# Altium PCB Mynd_Main.PcbDoc (part 3 of 5)
Units mm, origin at the board's own origin, x right, y up, seen from the top; angles counter-clockwise.
Board outline 75 x 136 mm, 4 copper layers (Component Side, Mid Layer 1, Mid Layer 2, Solder Side), stack 1.58 mm thick; 561 components, 261 nets, 1529 pads, 1417 vias.
Unrouted connection lines stored in the file: 7.
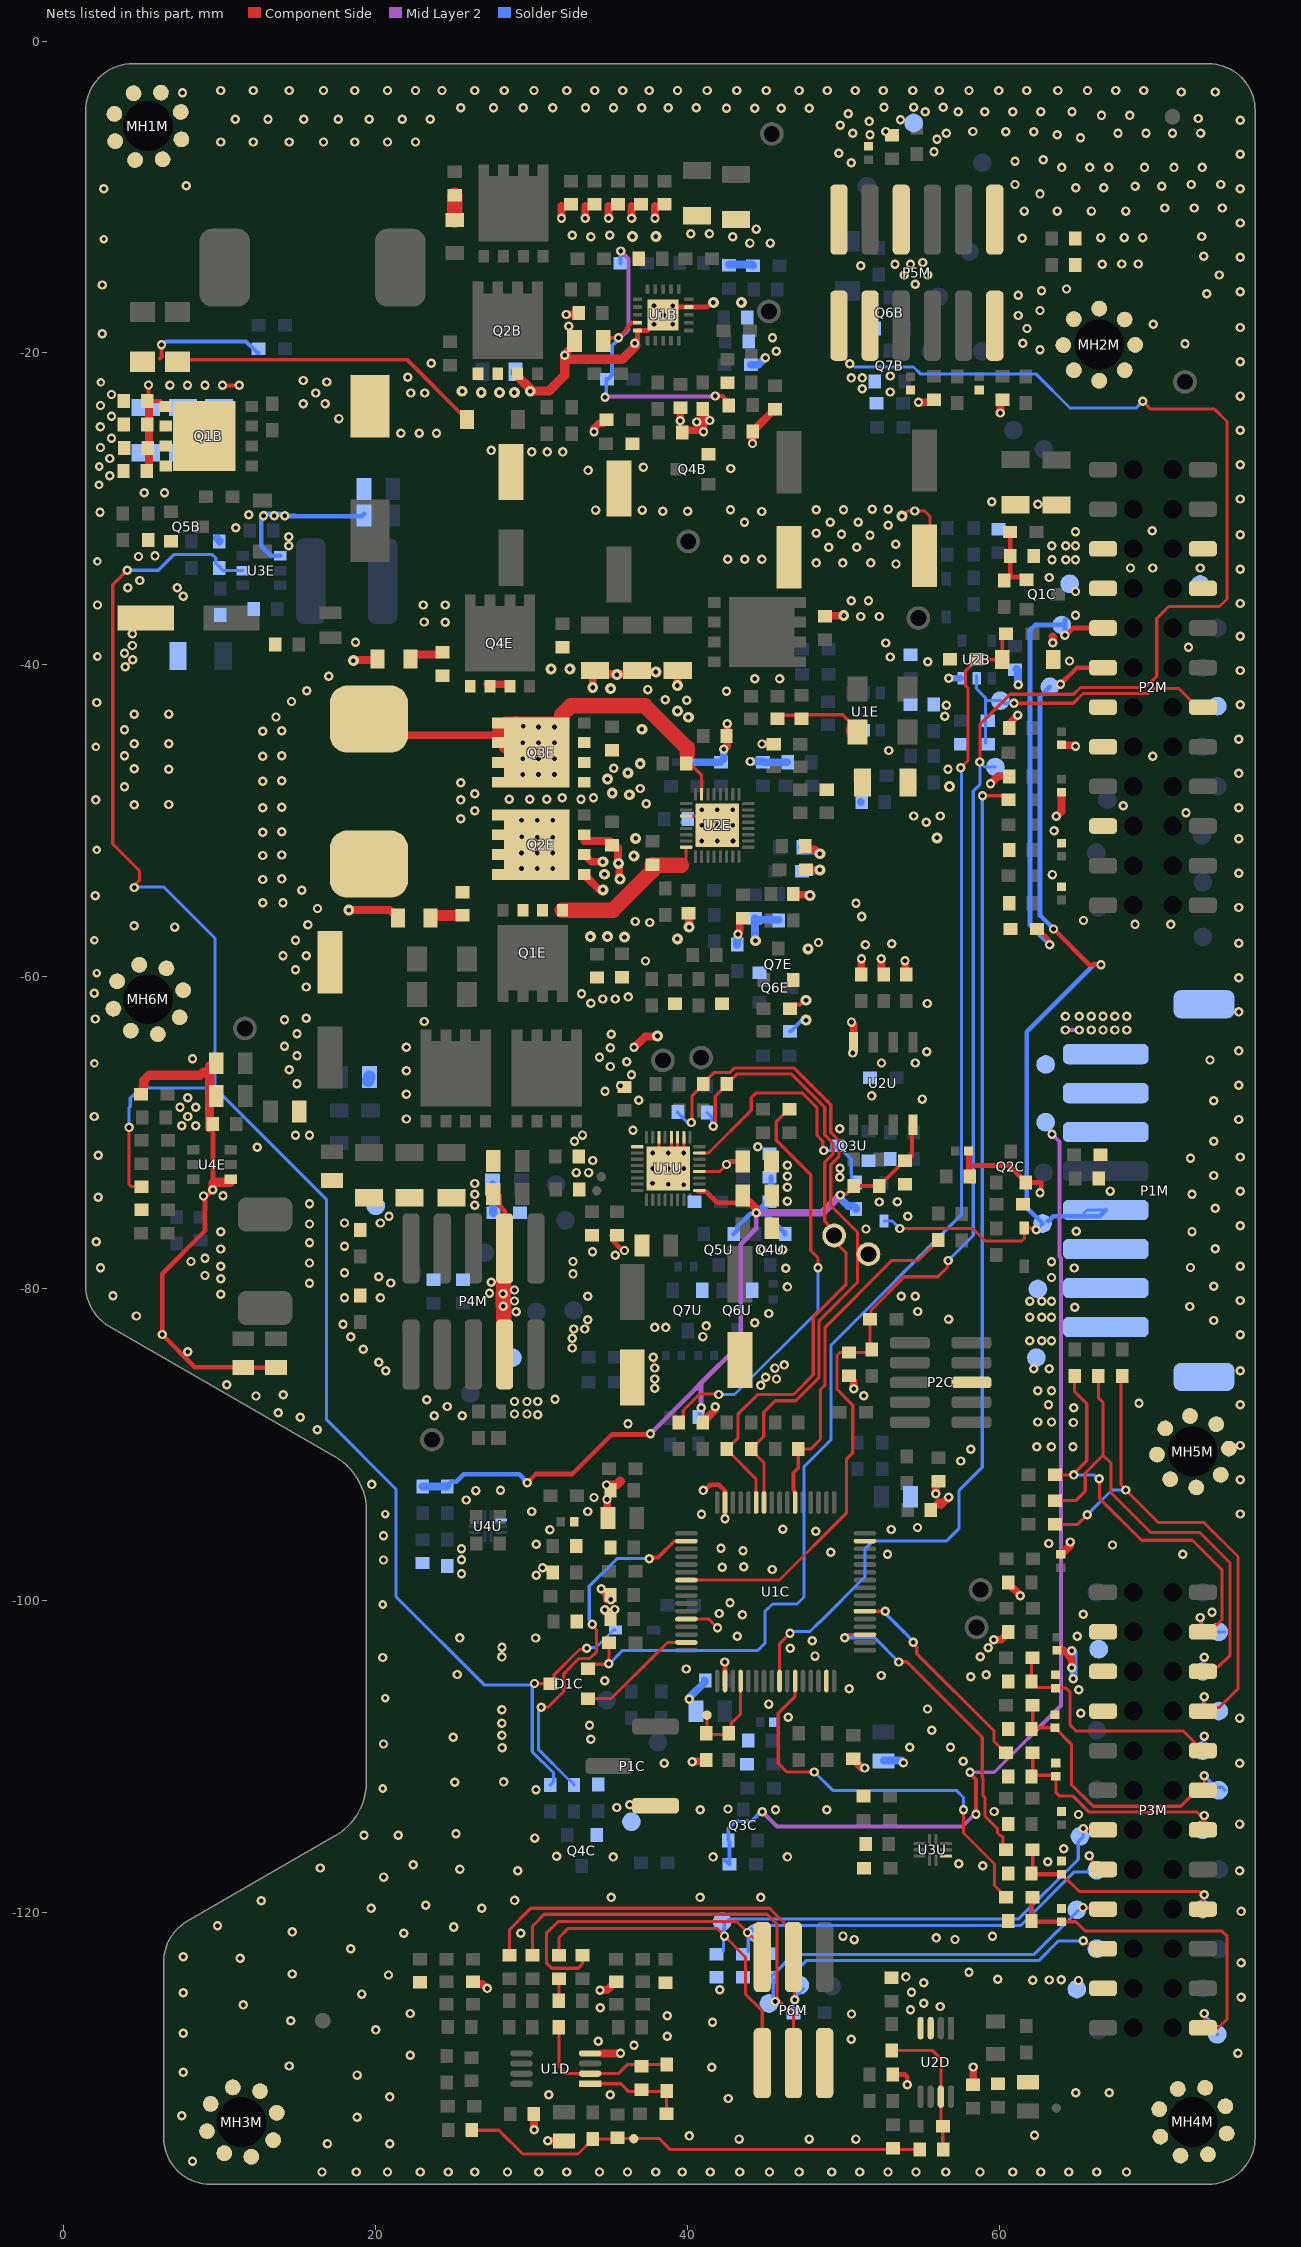
[diagram p5: the nets of this part, all layers, seen from the top]

## Via types
v1: diameter 0.6, hole 0.3, Component Side to Solder Side, tented both sides, 1239 vias
v2: diameter 0.61, hole 0.305, Component Side to Solder Side, tented both sides, 110 vias
v3: diameter 0.7, hole 0.3, Component Side to Solder Side, tented both sides, 50 vias
v4: diameter 0.55, hole 0.25, Component Side to Solder Side, tented both sides, 15 vias
v5: diameter 0.65, hole 0.3, Component Side to Solder Side, tented both sides, 2 vias
v6: diameter 0.55, hole 0.3, Component Side to Solder Side, tented both sides, 1 vias

## Nets (pads, with @x,y where several pads share a name; then routed paths per layer and width w, separated by ;. In a path a pad name is that pad's centre, name@x,y a point inside that pad or via, vN(x,y) a via of type N, cw(c..) or ccw(c..) an arc to the next point about the centre after c; other vN are vias at no path point) (continued)
Amp_Ver1: FB15C.1 U1C.25 | length 67.3
  Component Side w0.2: U1C.25@45.9,-105.15 45.9,-102.774 v1(46.567,-102.107) ; v1(58.918,-48.395) 60.296,-48.395 FB15C.1@60.55,-48.65
  Solder Side w0.2: v1(46.567,-102.107) 46.672,-102.002 47.847,-102.002 48.442,-101.407 48.467,-101.407 51.368,-98.506 51.368,-96.729 51.914,-96.182 56.617,-96.182 57.418,-95.381 57.418,-92.95 58.898,-91.47 58.898,-48.415 v1(58.918,-48.395)
BatVCC: P2M.9 R50E.2 TP25M.1 | length 27.9
  Component Side w0.3: R50E.2@62.415,-56.944 62.465,-56.944 63.159,-57.638 63.159,-57.903 v1(63.216,-57.96) ; v1(64.2,-38.1) 64.281,-38.1 64.741,-37.64 P2M.9@66.65,-37.64
  Solder Side w0.3: v1(63.216,-57.96) 61.966,-56.71 61.966,-37.766 62.282,-37.45 TP25M.1@64,-37.45 ; v1(64.2,-38.1) 64.2,-37.144 TP25M.1@64.252,-37.092
BT_BCLK: P3M.6 R8C.2 R14C.1 TP11M.1 | length 32.1
  Component Side w0.2: R8C.2@63.578,-93.607 64.887,-93.607 65.501,-92.993 65.501,-91.83 66.645,-90.686 ; R14C.1@66.345,-85.615 66.345,-87 66.645,-87.3 66.645,-90.686 ; P3M.6@73.142,-104.56 73.433,-104.269 74.037,-104.269 74.793,-103.513 74.793,-97.604 72.828,-95.639 69.689,-95.639 67.153,-93.103 67.153,-91.194 66.645,-90.686 ; P3M.6@73.142,-104.468 v1(73.142,-103.64)
  Solder Side w0.2: TP11M.1@73.05,-104.56 73.096,-104.514 73.096,-103.686 v1(73.142,-103.64)
BT_Ctrl_Pwr: C9C.1 ESD8C.2 FB8C.2 P3M.14 TP22M.1 | length 16.9
  Component Side w0.2: C9C.1@62.056,-111.3 C9C.1@62.134,-111.222 ; FB8C.2@62.134,-109.776 C9C.1@62.134,-111.222 ; ESD8C.2@63.617,-111.282 63.617,-112.317 63.86,-112.56 64.73,-112.56 65.756,-113.586 72.674,-113.586 73.05,-113.962 P3M.14@73.05,-114.72 73.142,-114.628 v1(73.142,-113.8) ; ESD8C.2@63.617,-111.217 62.139,-111.217 C9C.1@62.134,-111.222
  Solder Side w0.2: TP22M.1@73.05,-114.72 73.096,-114.674 73.096,-113.846 v1(73.142,-113.8)
BT_Ctrl_Vreg: C7C.1 ESD6C.2 FB6C.2 P3M.18 TP28M.1 | length 14.9
  Component Side w0.2: C7C.1@62.056,-117.523 62.134,-117.445 FB6C.2@62.134,-115.999 ; ESD6C.2@63.978,-117.567 64.003,-117.567 65.102,-118.666 72.82,-118.666 73.034,-118.88 v1(73.142,-118.88) ; P3M.18@73.05,-119.8 v1@73.05,-119.102
  Component Side w0.3: C7C.1@62.056,-117.523 62.1,-117.567 ESD6C.2@63.978,-117.567
  Solder Side w0.2: TP28M.1@73.05,-119.8 73.096,-119.754 73.096,-118.926 v1(73.142,-118.88)
BT_CtrlPwr: FB8C.1 U1C.38 | length 13.6
  Component Side w0.2: U1C.38@51.375,-100.7 v1(52.672,-100.7) ; v1(54.465,-102.687) 54.465,-102.769 54.7,-103.004 54.7,-103.419 59.659,-108.378 59.659,-109.051 60.384,-109.776 FB8C.1@60.434,-109.776
  Solder Side w0.2: v1(52.672,-100.7) 52.672,-100.808 52.835,-100.971 52.835,-100.986 54.465,-102.616 v1(54.465,-102.687)
BT_CtrlVreg: FB6C.1 U1C.35 | length 20.5
  Component Side w0.2: v1(50.075,-102.4) 50.275,-102.2 U1C.35@51.35,-102.2 ; v1(53.553,-103.951) 53.565,-103.939 54.047,-103.939 58.899,-108.79 58.899,-111.329 58.952,-111.382 58.952,-112.526 59.076,-112.651 59.076,-113.839 59.876,-114.639 59.876,-114.914 60.04,-115.078 60.103,-115.078 60.22,-115.195 FB6C.1@60.22,-115.846
  Solder Side w0.2: v1(50.075,-102.4) 52.002,-102.4 v1(53.553,-103.951)
BT_DATA: P3M.4 R10C.2 R16C.1 TP10M.1 | length 28.9
  Component Side w0.2: R10C.2@63.578,-91.956 v1(64.76,-91.956) 64.76,-91.879 65.6,-91.039 65.6,-87.4 64.821,-86.621 R16C.1@64.821,-85.615 ; v1(66.411,-92.21) 66.411,-93.451 69.107,-96.147 72.38,-96.147 74.285,-98.052 74.285,-101.227 73.719,-101.793 73.277,-101.793 P3M.4@73.05,-102.02 72.888,-101.858 v1(72.888,-101.1)
  Solder Side w0.2: v1(64.76,-91.956) 66.049,-91.956 66.303,-92.21 v1(66.411,-92.21) ; v1(72.888,-101.1) 72.965,-101.177 72.965,-101.52 73.464,-102.02 TP10M.1@74.467,-102.02
BT_LRCK: P3M.8 R6C.2 R12C.1 TP12M.1 | length 35.4
  Component Side w0.2: R6C.2@63.578,-95.131 65.014,-95.131 v1(65.633,-94.512) ; R12C.1@67.8,-85.684 67.8,-92.585 68.11,-92.895 v1(68.11,-92.924) ; v1@68.169,-92.924 68.169,-92.984 70.19,-95.004 73.113,-95.004 75.301,-97.192 75.301,-105.672 74.1,-106.873 73.549,-106.873 73.186,-107.236 P3M.8@73.05,-107.1 73.142,-107.008 v1(73.142,-106.18)
  Solder Side w0.2: v1(65.633,-94.512) 67.221,-92.924 v1(68.11,-92.924) ; v1(73.142,-106.18) 73.096,-106.226 73.096,-106.847 TP12M.1@73.5,-107.251
BT_Ver: C10C.1 ESD9C.2 FB9C.2 P3M.24 TP39M.1 | length 24.2
  Component Side w0.2: ESD9C.2@63.978,-120.615 64.911,-120.615 65.502,-121.206 74.265,-121.206 74.6,-121.541 74.6,-126.85 74.021,-127.429 73.059,-127.429 P3M.24@73.05,-127.42 73.142,-127.328 v1(73.142,-126.5)
  Component Side w0.3: FB9C.2@62.134,-119.047 62.056,-119.125 C10C.1@62.056,-120.571 62.1,-120.615 ESD9C.2@63.978,-120.615
  Solder Side w0.2: v1(73.142,-126.5) 73.142,-126.592 73.776,-127.226 73.776,-127.641 TP39M.1@73.967,-127.832
BT_Ver1: FB9C.1 U1C.27 | length 26.1
  Component Side w0.2: U1C.27@46.9,-105.175 46.9,-106.153 46.452,-106.601 45.817,-107.236 45.817,-110.457 46.367,-111.007 v1(48.117,-111.007) ; v1(57.692,-113.432) 57.692,-114.922 59.68,-116.91 59.68,-118.292 60.084,-118.697 60.084,-118.747 60.384,-119.047 FB9C.1@60.434,-119.047
  Solder Side w0.2: v1(48.117,-111.007) 49.299,-112.189 57.239,-112.189 57.692,-112.642 v1(57.692,-113.432)
BVcc: C26B.1 R20B.1 R25B.1 R31B.1 U1B.9 | length 22.1
  Component Side w0.25: C26B.1@34.567,-19.232 34.767,-19.032 v1(35.567,-19.032) 36.085,-18.514 36.085,-18.419 36.447,-18.057 U1B.9@36.783,-18.057 ; v1(41.783,-22.757) 42.242,-22.757 42.592,-23.107 42.642,-23.157 R31B.1@42.642,-23.357
  Mid Layer 2 w0.25: v1(34.7,-22.85) 34.76,-22.79 41.65,-22.79 v1@41.683,-22.757 ; v1(35.567,-19.032) 35.662,-19.032 36.017,-18.677 36.038,-18.677 36.215,-18.5 36.215,-13.964 v1(35.708,-13.457)
  Solder Side w0.25: v1(34.7,-22.85) 34.783,-22.767 34.783,-21.682 34.883,-21.682 35.158,-21.407 35.158,-19.536 35.567,-19.127 v1(35.567,-19.032) ; R20B.1@35.708,-14.232 v1(35.708,-13.457)
C_Open: D1U.A D3C.A P1M.4 P2M.11 TP4M.1 TP29M.1 | length 60
  Component Side w0.2: v1(53.6,-76.15) 58.3,-76.15 59.1,-76.95 61.442,-76.95 61.6,-76.792 D3C.A@61.6,-76.125 62.543,-76.125 v1@62.567,-76.149
  Component Side w0.3: v1(63.47,-56.944) 65.756,-59.23 v1(66.518,-59.23) ; v1@63.871,-41.283 v1(63.915,-41.239) 64.974,-40.18 P2M.11@66.65,-40.18
  Solder Side w0.2: D1U.A@52.6,-75.675 53.125,-75.675 v1(53.6,-76.15) ; v1(62.367,-76.232) TP4M.1@62.767,-75.832 ; P1M.4@65.393,-75.213 65.637,-74.97 P1M.4@66.822,-74.97
  Solder Side w0.3: TP4M.1@62.767,-75.832 61.743,-74.808 61.743,-63.538 66.051,-59.23 v1(66.518,-59.23) ; TP4M.1@63.086,-75.651 63.174,-75.651 63.463,-75.362 66.43,-75.362 P1M.4@66.822,-74.97 ; TP29M.1@63.236,-41.41 62.601,-42.045 62.601,-56.075 v1(63.47,-56.944)
COpen: FB3C.1 R19C.2 U1C.54 | length 22.2
  Component Side w0.2: R19C.2@47.1,-90.3 47.894,-90.3 48.52,-89.674 48.52,-86.48 48.82,-86.18 48.82,-82.48 53.1,-78.2 54.799,-78.2 56.067,-76.932 FB3C.1@56.067,-76.882
  Component Side w0.25: U1C.54@46.9,-93.725 46.9,-93.136 46.855,-93.091 46.855,-92.962 46.805,-92.912 46.805,-91.82 47.1,-91.525 R19C.2@47.1,-90.3
COpen2: Q3U.D R27U.1 U1U.7 | length 16.8
  Component Side w0.2: U1U.7@40.762,-71.308 41.342,-71.308 44.08,-68.57 44.08,-67.77 44.4,-67.45 47.337,-67.45 48.297,-68.41 48.297,-70.182 48.665,-70.55 48.665,-71.075 v1(48.74,-71.15)
  Solder Side w0.2: v1(48.74,-71.15) 49.3,-71.15 Q3U.D@49.6,-70.85 49.65,-70.85 50.5,-71.7 50.5,-72.65 ; 50.5,-72.65 50.5,-72.9 R27U.1@50.8,-73.2
Ena_3V3_STB: D1C.3 D4C.K R40C.1 R42E.1 R44E.1 U3E.5 | length 121
  Component Side w0.2: v1(4.067,-33.932) 3.131,-34.868 3.131,-51.492 4.851,-53.213 4.851,-53.827 4.506,-54.172 v1(4.506,-54.28) ; v1(4.18,-69.669) 4.18,-73.333 4.297,-73.45 R44E.1@4.957,-73.45 ; v1(30.18,-105.334) 31.184,-105.334 D1C.3@31.2,-105.35 31.449,-105.101 31.449,-104.767 33.067,-103.15 33.451,-103.15 v1(33.528,-103.073)
  Solder Side w0.2: v1(4.067,-33.932) 6.057,-33.932 7.052,-32.937 9.522,-32.937 9.739,-33.154 9.739,-33.48 10.217,-33.957 U3E.5@11.467,-33.957 ; v1(4.18,-69.669) 4.18,-68.395 4.255,-68.319 4.255,-67.795 4.9,-67.15 9.7,-67.15 ; v1(4.506,-54.28) 4.532,-54.254 6.404,-54.254 9.7,-57.55 9.7,-67.15 ; R40C.1@31.192,-111.85 31.4,-111.641 31.4,-111.06 30.04,-109.7 30.04,-105.474 30.126,-105.388 v1(30.18,-105.334) 30.072,-105.334 29.986,-105.42 26.959,-105.42 21.3,-99.761 21.3,-92.865 16.851,-88.415 16.851,-74.301 9.7,-67.15 ; v1(33.528,-103.073) 33.579,-103.022 34.128,-103.022 35.25,-101.9 D4C.K@35.375,-101.9
Ena_BatADC: R39C.1 U1C.2 | length 23.2
  Component Side w0.2: v1(30.62,-106.858) 30.635,-106.843 31.054,-106.843 32.055,-105.842 32.055,-104.699 33.034,-103.72 33.745,-103.72 34.167,-103.298 34.167,-101.915 33.884,-101.632 v1(33.884,-101.524)
  Component Side w0.25: v1(37.547,-97.327) 37.614,-97.26 38.097,-97.26 39.147,-96.21 39.915,-96.21 U1C.2@39.925,-96.2
  Solder Side w0.2: v1(30.62,-106.858) 30.62,-106.966 30.429,-107.157 30.429,-109.552 32.365,-111.488 32.415,-111.488 32.715,-111.788 R39C.1@32.715,-111.838 ; 33.696,-101.228 33.696,-99.099 35.469,-97.327 v1(37.547,-97.327)
Env_Track: P2M.14 R8B.2 R27B.1 TP34M.1 U2B.2 | length 19.2
  Component Side w0.2: v1(60.93,-42.466) 64.733,-42.466 65.359,-41.84 69.521,-41.84 69.834,-41.527 71.512,-41.527 72.705,-42.72 P2M.14@73.05,-42.72
  Solder Side w0.2: U2B.2@58.525,-40.675 58.525,-41.525 59.1,-42.1 59.1,-42.299 ; R27B.1@59.1,-45.025 59.1,-43.575 59.1,-42.299 ; TP34M.1@60.061,-42.299 59.1,-42.299 ; TP34M.1@60.259,-42.466 v1(60.93,-42.466)
GND: C1C.2 C1E.2 C2B.1 C2C.2 C2U.2 C3B.1 C3C.2 C3U.2 C4B.2 C4C.2 C4E.2 C4U.1 C5B.2 C5C.2 C5E.2 C5U.2 C6B.1 C6C.2 C6E.2 C6U.2 C7B.1 C7C.2 C7D.2 C7E.1 C7U.1 C8B.1 C8C.2 C8E.1 C8U.2 C9B.1 C9C.2 C9D.2 C9E.2 C9U.1 C10B.2 C10C.2 C10E.1 C10U.2 C11B.2 C11C.2 C11E.2 C11U.1 C12B.2 C12C.2 C12E.1 C12U.2 C13B.1 C13C.2 C13E.1 C13U.2 C14B.1 C14C.2 C14E.1 C14U.2 C15B.1 C15C.2 C15D.1 C15E.1 C15U.2 C16B.1 C16C.2 C16D.2 C16E.1 C16U.2 C17C.2 C17D.2 C17E.1 C17U.2 C18B.1 C18C.2 C18D.2 C18U.2 C19B.1 C19C.2 C19D.2 C19E.1 C19U.2 C20B.1 C20C.2 C20D.2 C21B.1 C21C.2 C21D.2 C21E.2 C22B.1 C22C.2 C22D.2 C22E.1 C23C.2 C23D.2 C23E.2 C24C.2 C24D.2 C24E.2 C25B.2 C25C.2 C26B.2 C26C.2 C26E.1 C27B.2 C27C.2 C28B.2 C28C.2 C28E.2 C29B.2 C29C.2 C29E.2 C30B.2 C30C.2 C30E.2 C31C.2 C31E.1 C32B.2 C32C.2 C32E.1 C33B.2 C33C.2 C33E.1 C34B.1 C34C.2 C34E.1 C35B.2 C35C.1 C35E.1 C36B.2 C36C.2 C36E.2 C37B.1 C37C.2 C37E.2 C38E.2 C39E.2 C40E.1 C42E.2 C43E.2 C44E.2 C45E.2 C46E.2 C50E.2 C52E.2 C53E.2 C54E.2 C56E.2 C57E.2 C58E.2 D2C.A ESD1C.2 ESD2C.1 ESD3C.1 ESD4C.1 ESD5C.1 ESD6C.1 ESD7C.1 ESD8C.1 ESD9C.1 ESD10C.1 ESD11C.1 ESD12C.1 ESD13C.1 ESD14C.1 ESD15C.1 ESD16C.1 ESD17C.1 ESD18C.1 MH1M.1 MH2M.1 MH3M.1 MH4M.1 MH5M.1 MH6M.1 P1C.1 P1M.0 P1M.1 P1M.2 P1M.3 P2C.5 P2M.5 P2M.6 P2M.7 P2M.8 P2M.13 P2M.15 P2M.19 P3M.3 P3M.5 P3M.7 P3M.21 P4M.3 P4M.4 P5M.1 P5M.2 P5M.7 P5M.10 P5M.11 P6M.2 Q2B.1 Q2B.2 Q2B.3 Q2C.S Q2E.1 Q2E.2 Q2E.3 Q3E.1 Q3E.2 Q3E.3 Q3U.S Q4B.S Q4C.S Q5B.S Q6B.S Q6E.S Q6U.S Q7B.S Q7E.S Q7U.S R1U.1 R3U.2 R4C.1 R7B.1 R8E.2 R9E.2 R11D.1 R12D.2 R14U.2 R15U.2 R16B.2 R16E.2 R16U.2 R17U.2 R18U.1 R19D.1 R19U.2 R21U.1 R22C.1 R22U.1 R23B.2 R23E.1 R24B.2 R24C.1 R25E.1 R26B.2 R27B.2 R28B.2 R29B.2 R29E.1 R30B.2 R30E.2 R30U.1 R31E.1 R32C.2 R32E.1 R33E.1 R36B.2 R38C.1 R38E.2 R40E.1 R41C.2 R41U.1 R42E.2 R42U.1 R43E.2 R45E.1 R49E.2 TP5M.1 TP6M.1 TP9C.1 TP9M.1 TP19M.1 TP20M.1 TP33M.1 TP35M.1 TP51M.1 TP52M.1 TP59M.1 U1B.0 U1B.10 U1B.19 U1C.12 U1C.18 U1C.31 U1C.47 U1C.63 U1D.4 U1E.2 U1U.0 U1U.10 U1U.11 U1U.12 U1U.14 U1U.17 U2B.3 U2D.3 U2D.4 U2E.0 U2E.27 U2U.4 U3E.1 U3U.3 U4E.1 U4U.3 | length 209.9
  Component Side w0.192: U1U.14@38.162,-70.308 38.162,-71.708 v1(38.762,-72.308) ; U1U.0@39.758,-73.299 U1U.0@39.767,-73.308
  Component Side w0.2: v1(3.937,-40.132) 3.95,-40.132 4.407,-39.675 v1(4.42,-39.675) ; U1U.17@36.712,-70.908 U1U.17@36.762,-70.908 ; v1(37.8,-84.4) 37.85,-84.45 37.85,-85.05 v1(37.9,-85.1) ; U1U.0@38.762,-71.978 v1(38.762,-72.308) U1U.0@38.962,-72.108 ; U1U.0@38.762,-71.295 38.962,-71.095 U1U.12@38.962,-70.308 ; U1U.0@38.832,-71.295 38.832,-71.978 U1U.0@38.962,-72.108 ; U1U.11@39.362,-70.308 U1U.0@39.362,-71.708 ; U1U.10@39.762,-70.308 v1(39.762,-71.308) U1U.0@39.362,-71.708 ; U2E.27@39.9,-49.7 41.505,-49.7 U2E.0@41.909,-49.296 ; U1C.12@39.95,-101.2 41.355,-101.2 v1(41.918,-101.763) ; v3(53.751,-30.465) 53.784,-30.465 54.118,-30.132 55.217,-30.132 ; v1(54.567,-30.132) 55.217,-30.132 ; C10B.2@55.2,-33 55.551,-32.649 55.551,-30.465 55.217,-30.132 ; U1U.0@38.962,-72.108 U1U.0@39.362,-71.708
  Component Side w0.25: R29E.1@46.575,-61.95 46.75,-61.775 47.215,-61.775 47.473,-61.516 v3(47.595,-61.516)
  Component Side w0.3: v1@9.049,-74.163 9.008,-74.204 9.008,-74.335 9.051,-74.378 9.051,-76.295 6.3,-79.045 v1(6.3,-82.95) 8.4,-85.05 11.535,-85.05 11.56,-85.075 C57E.2@13.6,-85.075 ; v1@9.051,-74.165 v1(9.551,-73.665) ; v1@9.421,-73.665 9.421,-73.374 9.562,-73.232 9.562,-70.032 ; C2U.2@27.942,-74.032 27.942,-74.707 28.267,-75.032 P4M.3@28.267,-77.182 ; P4M.3@28.202,-76.267 28.467,-76.532 P4M.3@28.467,-77.832 ; C12U.2@35.117,-76.587 35.269,-76.739 35.269,-77.003 v1@35.751,-77.484 ; v1(36.608,-19.382) 36.783,-19.207 U1B.10@36.783,-18.557 37.433,-18.557 U1B.0@38.433,-17.557 38.933,-17.057 U1B.19@40.083,-17.057 41.251,-17.057 41.542,-16.765 v3(41.651,-16.765) ; v1(41,-92.95) 41.081,-92.95 41.449,-92.582 42.011,-92.582 42.4,-92.971 U1C.63@42.4,-93.725 ; v1(42.392,-103.957) 42.4,-103.965 U1C.18@42.4,-105.15 ; v1(42.4,-94.775) U1C.63@42.4,-93.75 ; R11D.1@53.167,-130.407 53.942,-130.407 54.092,-130.557 v1(54.092,-131.057) ; ESD3C.1@58.017,-71.182 58.017,-72.107 ; C4C.2@58.097,-72.807 58.017,-72.727 58.017,-72.107 ; v1(62.6,-73.85) 62.685,-73.765 62.685,-73.2 Q2C.S@61.687,-73.2 60.594,-72.107 58.017,-72.107
  Component Side w0.5: v3(18.267,-55.732) 20.917,-55.732 21.067,-55.882 21.217,-55.882 21.417,-56.082 R8E.2@21.417,-56.232 ; v3(18.567,-39.732) 18.605,-39.694 20.19,-39.694 R9E.2@20.222,-39.662 ; R19D.1@26.225,-124.455 26.375,-124.605 26.836,-124.605 27.121,-124.889 v1(27.148,-124.889) ; v1(30.175,-133.961) 30.156,-133.942 30.156,-132.949 C18D.2@30.175,-132.93 ; v1(31.025,-134.655) C9D.2@32.075,-134.655 ; v1(31.917,-11.357) 31.917,-10.582 ; v1@32.132,-20.126 32.132,-20.067 32.767,-19.432 C26B.2@32.767,-19.232 ; v1(32.217,-17.532) C25B.2@32.967,-17.532 ; Q2E.1@33.354,-53.45 33.43,-53.45 33.517,-53.537 33.517,-53.613 34.298,-54.394 34.529,-54.394 v3(34.567,-54.432) ; Q2E.2@33.367,-52.167 33.832,-52.632 v3(34.567,-52.632) ; 33.367,-51.292 35.032,-51.292 35.317,-51.577 C19E.1@35.367,-51.577 ; v1(33.433,-11.357) 33.433,-10.582 ; v3(33.917,-41.457) 33.917,-40.682 34.042,-40.557 C14E.1@34.067,-40.557 ; v1(34,-25.05) 34,-24.85 34.343,-24.507 34.583,-24.507 R24B.2@34.808,-24.282 ; v1(34.387,-125.016) 34.406,-124.997 34.833,-124.997 35.375,-124.455 R12D.2@35.425,-124.455 ; C14E.1@34.431,-40.594 35.429,-40.594 v3(35.467,-40.632) 35.505,-40.594 36.869,-40.594 C15E.1@36.9,-40.625 ; v1(34.464,-99.265) 34.464,-99.293 34.818,-99.647 C34C.2@34.818,-99.958 ; 34.52,-129.055 v1(35.7,-129.055) ; v1(34.83,-93.528) 34.849,-93.547 34.849,-94.68 C23C.2@34.886,-94.717 ; v1(34.933,-11.357) 34.933,-10.582 ; C21E.2@35.167,-45.532 C21E.2@35.272,-45.637 ; C19E.1@35.373,-51.577 35.523,-51.727 35.529,-51.727 35.529,-52.694 v3(35.567,-52.732) ; v3@35.617,-52.677 35.617,-53.628 35.667,-53.678 v3(35.667,-53.732) ; v1(36.408,-11.357) 36.408,-10.582 ; v1(36.567,-64.532) 36.594,-64.532 37.286,-63.84 v3@38.032,-63.84 ; C15E.1@36.767,-40.457 v3(37.967,-40.457) ; v1(37.908,-11.357) 37.908,-10.582 ; v3@39.302,-57.617 v3(39.34,-57.579) ; v3(39.342,-41.332) 39.342,-40.432 C13E.1@39.367,-40.407 ; v1(39.533,-24.357) C35B.2@39.533,-23.607 ; C33B.2@39.647,-25.107 39.647,-24.953 40.913,-24.953 v1(41.017,-25.057) 41.017,-24.655 40.794,-24.432 v1(40.592,-24.432) 40.692,-24.332 v1(41.417,-24.332) 40.983,-23.898 R26B.2@40.983,-23.607 ; v3(40.1,-56.825) C22E.1@40.1,-56.025 ; v1(40.29,-110.359) 40.309,-110.34 41.085,-110.34 R24C.1@41.2,-110.225 ; R22C.1@40.975,-88.55 41.125,-88.4 41.153,-88.4 41.748,-87.805 41.748,-87.605 v1(41.767,-87.586) ; C16E.1@42.145,-61.75 42.155,-61.75 C16E.1@42.3,-61.895 ; v1(42.325,-45.425) 42.55,-45.2 v1(42.55,-43.775) ; v1@43.229,-57.27 43.35,-57.149 43.35,-56.405 43.355,-56.4 C29E.2@43.55,-56.4 ; v1(44.167,-25.807) R29B.2@44.167,-25.057 ; R29B.2@44.167,-25.032 45.617,-23.582 C30B.2@45.617,-23.787 ; v1(44.775,-45.075) R38E.2@45.525,-45.075 ; Q7E.S@46.775,-60.2 Q7E.S@46.775,-60.15 ; R30E.2@46.825,-54.7 46.877,-54.752 47.816,-54.752 v3(47.854,-54.79) ; C36E.2@47.555,-51.625 47.555,-51.675 47.705,-51.825 48.137,-51.825 48.43,-52.118 v3(48.484,-52.118) ; R31E.1@47.6,-53.15 v3(48.484,-53.15) ; C24E.2@48.8,-36.85 49.999,-36.85 v3(50.017,-36.832) ; C17C.2@50.35,-85.65 50.65,-85.95 v1(50.65,-86.425) ; v1@50.516,-62.94 50.663,-63.087 U2U.4@50.663,-64.484 ; C27C.2@50.625,-110.2 51.182,-110.757 v1(51.367,-110.757) ; R19U.2@51.125,-59.875 51.138,-59.862 51.138,-58.862 v1(51.151,-58.849) ; v1(52.421,-58.849) 52.44,-58.868 52.44,-59.74 R17U.2@52.575,-59.875 ; v1(53.945,-58.976) 53.964,-58.995 53.964,-59.814 R16U.2@54.025,-59.875 ; C28E.2@54.171,-47.942 54.171,-47.754 C28E.2@54.425,-47.5 ; v1(54.809,-23.152) 54.836,-23.152 54.87,-23.187 55.068,-23.187 55.1,-23.155 55.6,-23.155 55.624,-23.131 C6C.2@55.624,-22.912 ; C28C.2@55.605,-94.212 56.084,-93.734 56.371,-93.734 56.712,-93.393 v1(56.739,-93.393) 56.241,-93.891 ; v1(55.919,-93.165) 55.938,-93.146 55.938,-92.52 56.043,-92.415 C26C.2@56.104,-92.415 ; C17D.2@58.317,-131.037 v1(58.317,-129.932) ; v1@59.445,-47.614 59.909,-47.15 C16C.2@60.6,-47.15 ; v1(59.644,-102.537) 59.659,-102.522 60.114,-102.522 60.406,-102.229 60.406,-102.179 C14C.2@60.556,-102.029 ; v1(60.05,-23.85) 60.069,-23.831 60.069,-23.036 C2C.2@60.2,-22.905 ; C12C.2@60.475,-98.888 60.54,-98.888 61.331,-99.679 v1(61.331,-99.703) ; C20C.2@60.7,-44.05 60.7,-43.712 v1(61.184,-43.228) ; 63.4,-38.172 63.442,-38.214 63.442,-38.557 v1(63.417,-38.582) ; v1(63.652,-49.705) 63.679,-49.705 63.96,-49.424 63.978,-49.424 ESD15C.1@63.978,-48.206 ; ESD13C.1@63.692,-103.207 64.117,-103.207 64.642,-103.732 v1(64.642,-104.332) ; ESD11C.1@63.967,-97.057 64.528,-96.496 64.528,-96.276 v1(64.547,-96.257) ; ESD16C.1@64.028,-45.156 64.789,-45.156 64.853,-45.22 v1(64.88,-45.22)
  Component Side w0.6: R49E.2@4.95,-67.55 5,-67.55 5.1,-67.45 5.1,-67.113 5.115,-67.098 5.115,-66.673 5.466,-66.321 8.753,-66.321 8.942,-66.132 9.167,-66.132 9.342,-65.957 9.342,-65.732 9.355,-65.744 9.355,-67.819 9.367,-67.832 9.34,-67.859 C50E.2@9.34,-69.705 ; C50E.2@9.512,-69.632 C50E.2@9.54,-69.605 ; 9.562,-73.232 9.612,-73.182 U4E.1@10.667,-73.182 ; Q2B.3@29.147,-21.432 29.147,-21.541 29.889,-22.283 29.889,-22.411 29.916,-22.438 31.109,-22.438 32.113,-21.434 v1(32.113,-20.153) ; v1@32.187,-20.412 35.803,-20.412 v1@36.683,-19.532 ; v1(34.8,-92.6) 35.428,-92.6 35.676,-92.352
  Component Side w1: v1(28.172,-81.131) 28.172,-80.336 v1(28.167,-80.332) 28.217,-80.282 28.217,-77.932 P4M.3@28.317,-77.832 ; v1@28.201,-81.166 28.217,-81.182 P4M.4@28.217,-84.332
  Solder Side w0.25: R23E.1@46.575,-63.5 46.625,-63.5 47.253,-62.872 47.509,-62.872 v3(47.595,-62.786)
  Solder Side w0.3: U3E.1@13.867,-33.007 13.292,-33.007 12.667,-32.382 12.667,-30.583 12.918,-30.332 13.842,-30.332 13.902,-30.392 14.11,-30.392 v1(14.168,-30.449) ; v1@14.159,-30.457 14.842,-30.457 14.851,-30.465 19.108,-30.465 C46E.2@19.242,-30.332
  Solder Side w0.4: v1(56.756,-40.865) U2B.3@57.526,-40.865
  Solder Side w0.5: R42E.2@9.824,-31.887 9.974,-32.037 R42E.2@9.974,-32.087 ; R7B.1@28.883,-21.207 28.883,-21.282 29.87,-22.269 29.87,-22.419 v3(29.908,-22.457) ; v1(40.102,-106.347) 40.121,-106.328 40.121,-106.224 41.1,-105.245 C24C.2@41.1,-105.15 ; 40.55,-46.25 42.1,-46.25 42.325,-46.025 v1(42.325,-45.425) ; C32B.2@42.658,-14.332 43.458,-14.332 44.133,-14.332 R28B.2@44.208,-14.407 ; R16E.2@43.175,-57.95 43.175,-57.785 43.21,-57.75 43.21,-57.29 v1(43.229,-57.271) ; v1(44.025,-46.2) 44.85,-46.2 44.9,-46.25 C35E.1@46.375,-46.25 ; R16B.2@44.058,-20.757 44.542,-20.757 v1(44.992,-20.307) ; C37E.2@44.325,-56.3 44.325,-57.675 v3(44.35,-57.7) ; C37E.2@44.325,-56.25 44.425,-56.35 R32E.1@45.85,-56.35 ; C38E.2@47.337,-51.698 47.337,-51.707 47.53,-51.9 48.212,-51.9 48.43,-52.118 v3(48.484,-52.118) ; R33E.1@47.4,-53.225 47.438,-53.188 48.446,-53.188 v3(48.484,-53.15) ; C25C.2@52.575,-110.275 53.71,-110.275 v1(53.842,-110.407) ; C34B.1@61.091,-40.264 61.185,-40.358 61.185,-41.264 v1(61.204,-41.283) ; v1(64.642,-103.232) 64.742,-103.332 v1(64.742,-105.032)